# Altium PCB FSAES-22-E17 Temp Module PCB.PcbDoc (part 1 of 3)
Units mil, origin at the board's own origin, x right, y up, seen from the top; angles counter-clockwise.
Board outline 6776.17 x 2481.98 mil, 4 copper layers (Top Layer, Int 1 (GND), Int 2 (PWR), Bottom Layer), stack 53.912 mil thick; 312 components, 228 nets, 920 pads, 763 vias.
Unrouted connection lines stored in the file: 6.
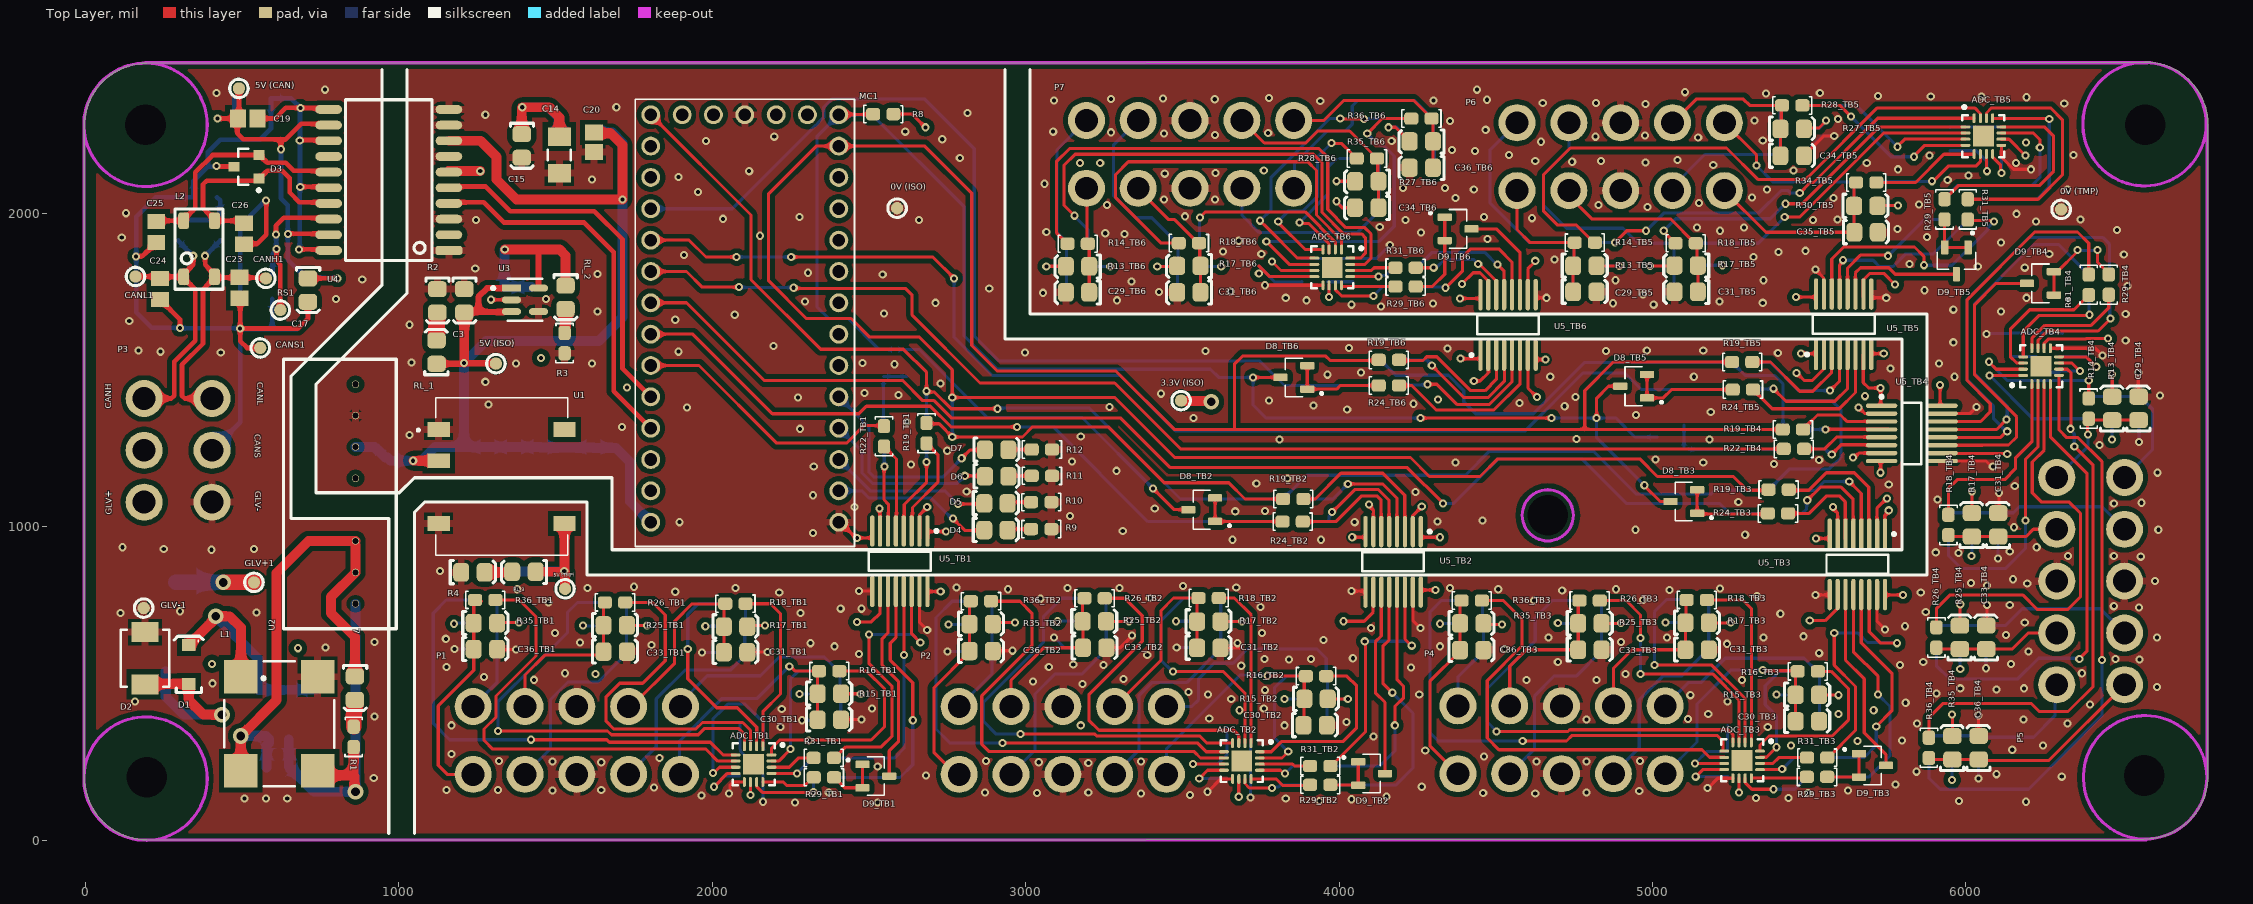
[diagram p0: Top Layer view]
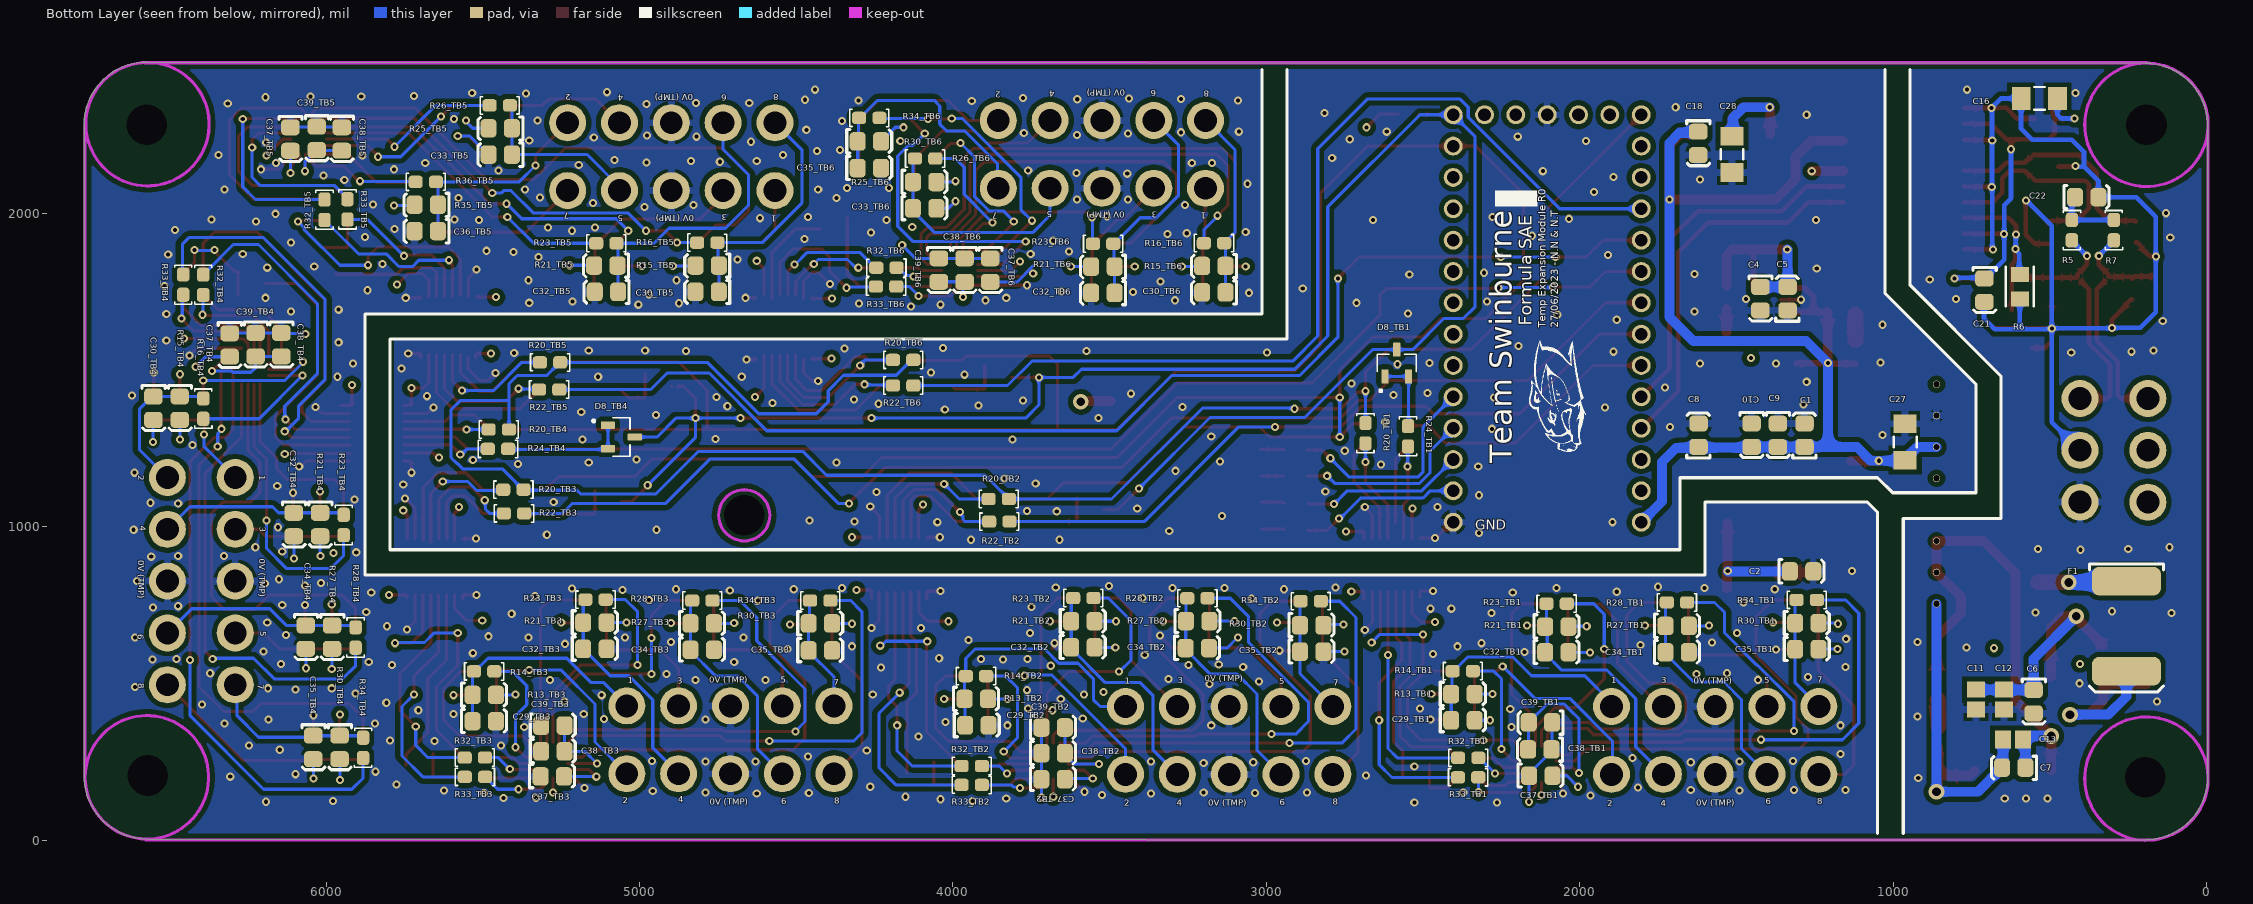
[diagram p1: Bottom Layer view, seen from below]
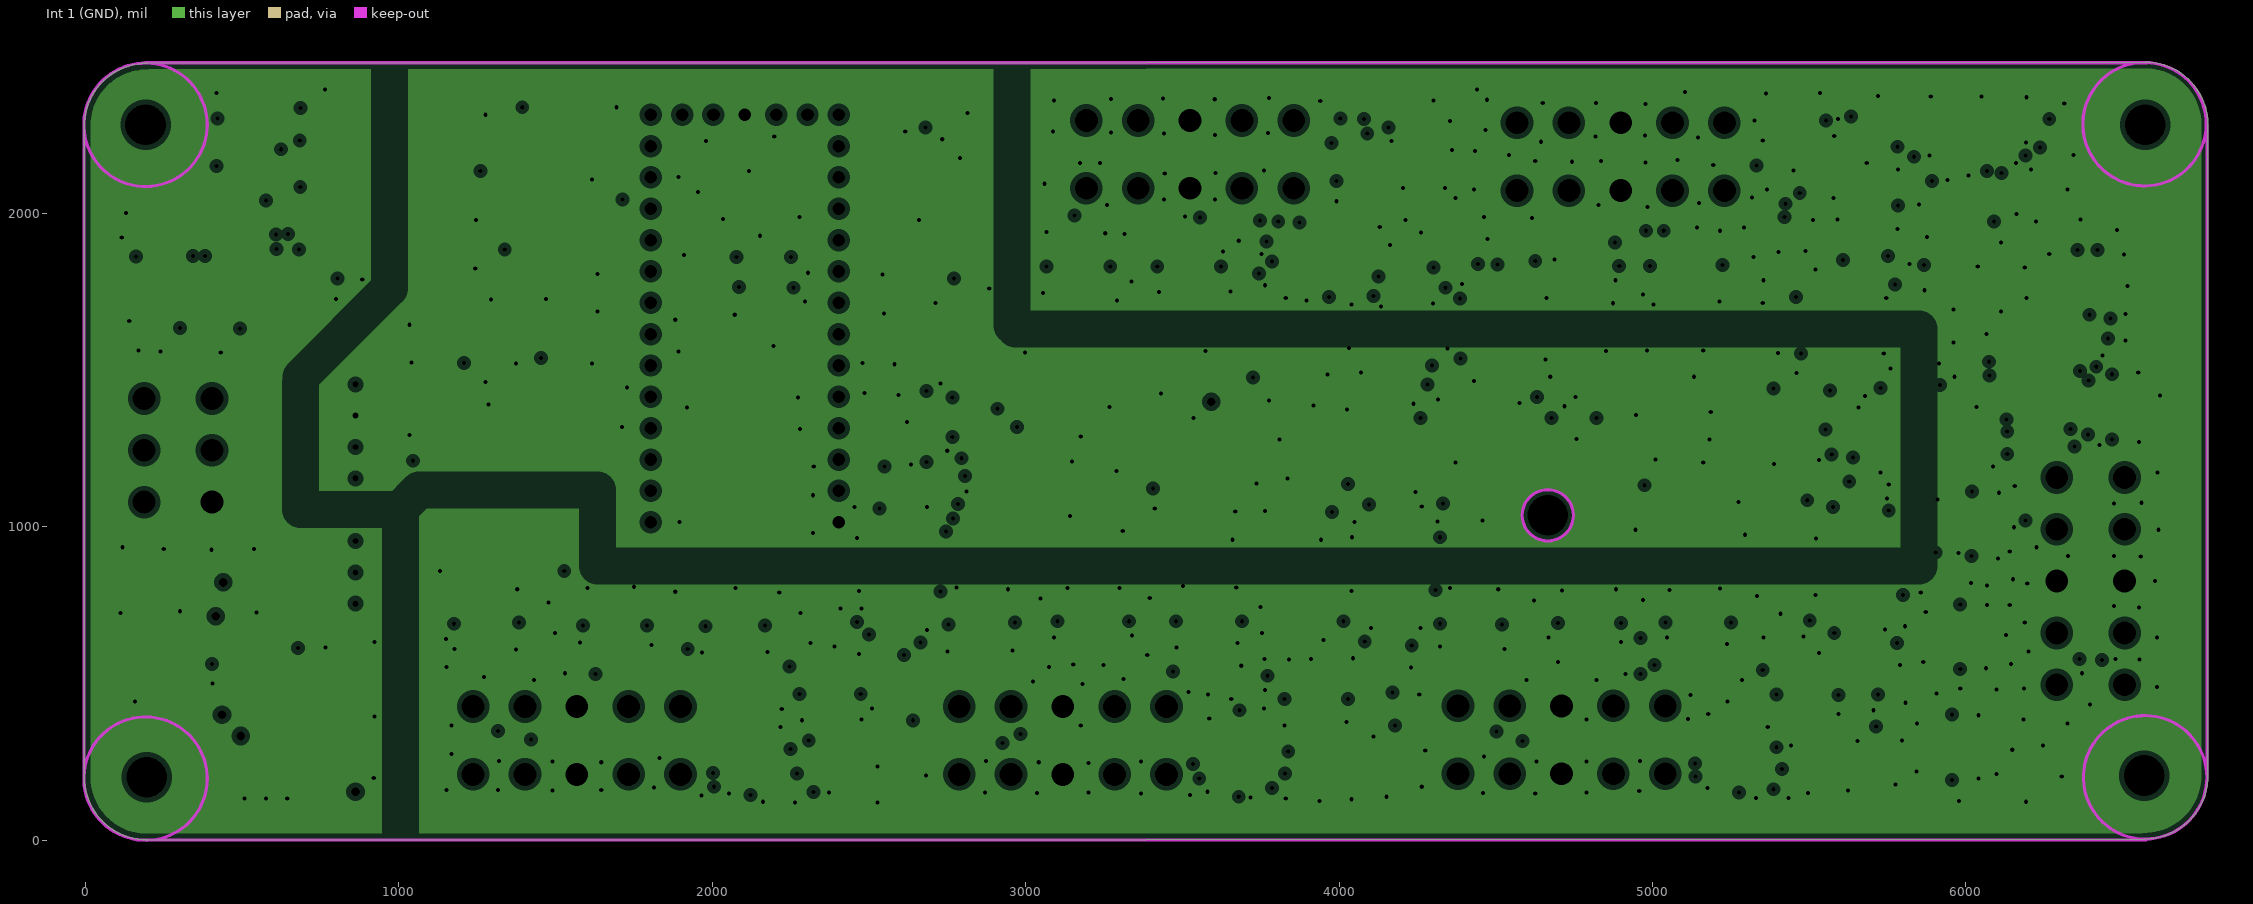
[diagram p2: Int 1 (GND), clearances drawn from the general rule]
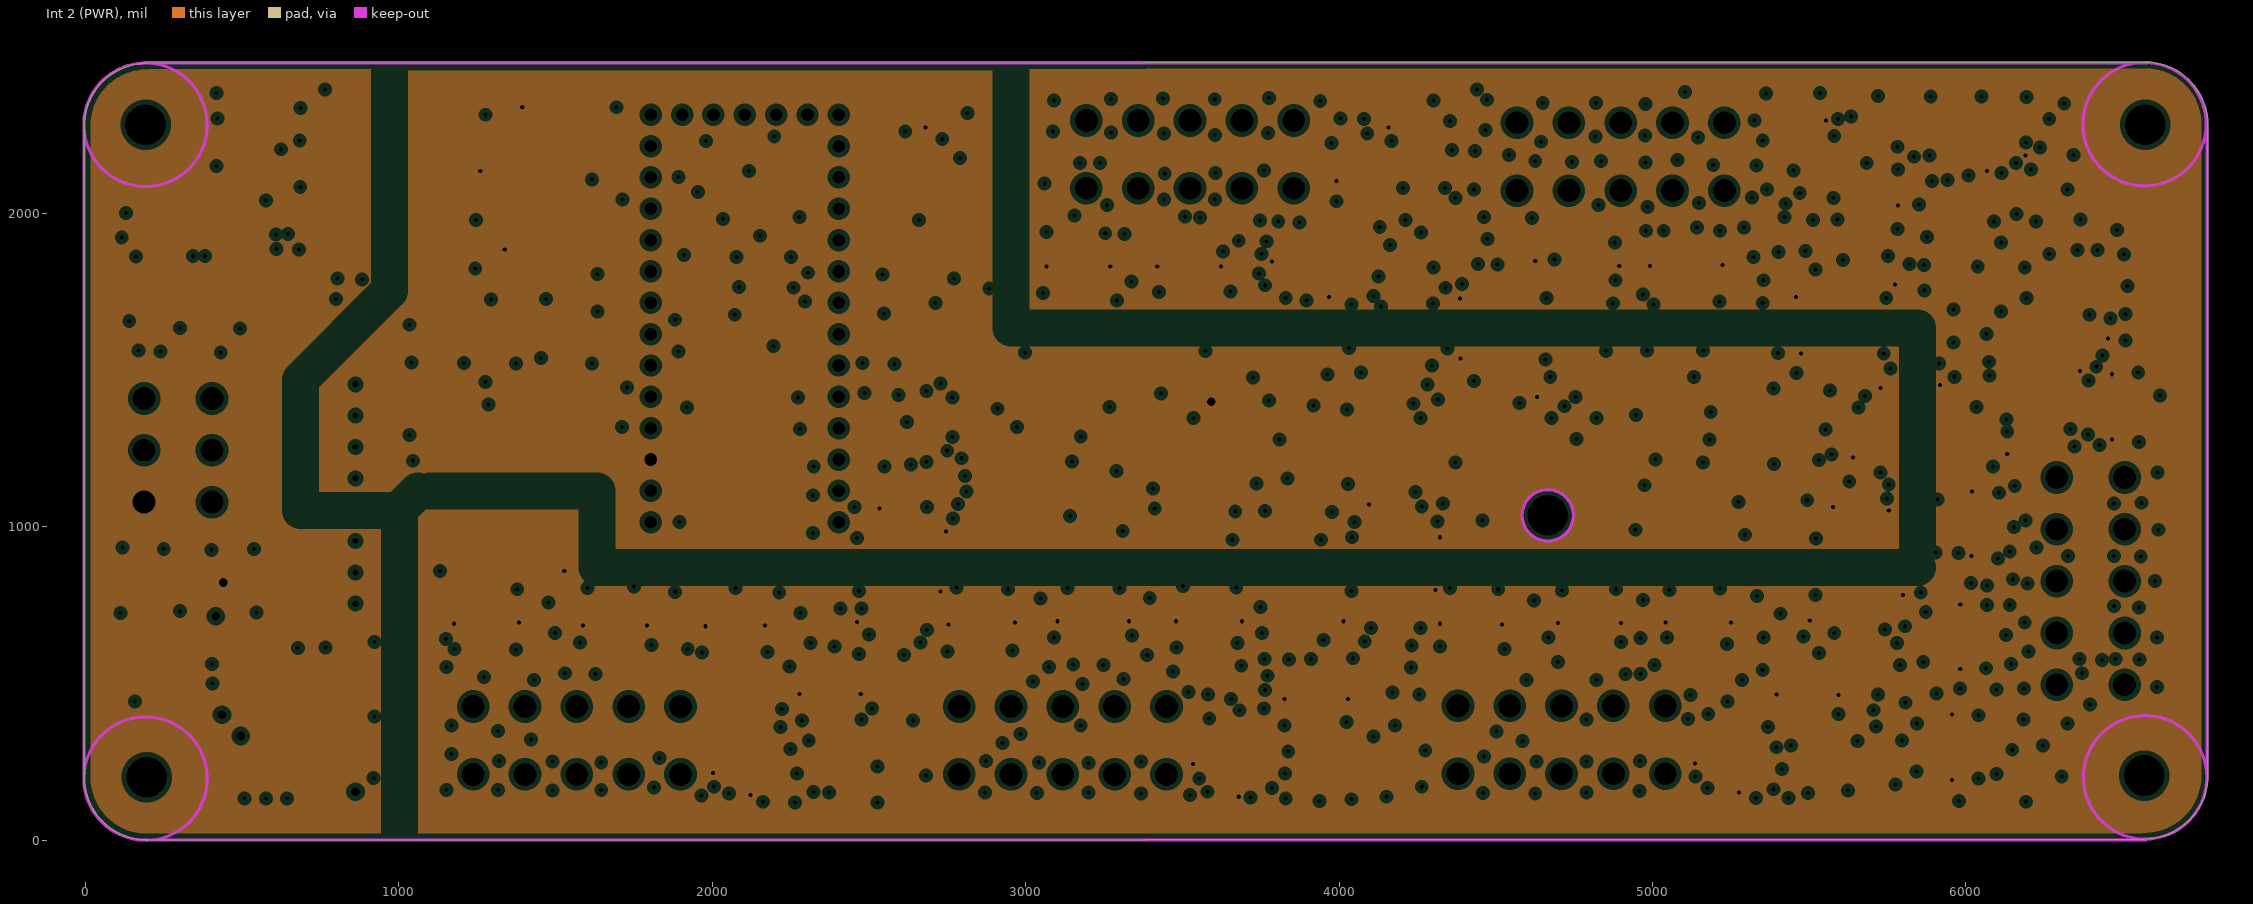
[diagram p3: Int 2 (PWR), clearances drawn from the general rule]

## Layer stack, top to bottom
Top Solder: solder mask 0.4, Solder Resist, Dk 3.5
Top Layer: signal copper 1.378
Dielectric 1: prepreg 5.1, PP-017, Dk 4.3
Dielectric 2: prepreg 5.1, PP-017, Dk 4.3
Int 1 (GND): plane copper 1.378, net (Multiple Nets)
Dielectric 3: core 28, Core-039, Dk 4.8
Int 2 (PWR): plane copper 1.378, net (Multiple Nets)
Dielectric 4: prepreg 5.1, PP-017, Dk 4.3
Dielectric 5: prepreg 5.1, PP-017, Dk 4.3
Bottom Layer: signal copper 1.378
Bottom Solder: solder mask 0.4, Solder Resist, Dk 3.5

## Board outline
-3.54,200 -3.97,2276.83 cw(c195.56,2278.67) 195.56,2478.21 6570.82,2481.97 cw(c6572.67,2282.44) 6772.21,2282.44 6772,2282.44 6771.93,207.45 cw(c6569.27,205.57) 6569.27,2.9 197.85,-0.01 197.85,0.47 cw(c196,200)

## Design rules (kind name [scope] priority, off if disabled: settings)
Clearance [All] p1: gap=10 ignorepadtopadclearanceinfootprint=FALSE except(0: Arc-Hole Track-Hole SMDPad-Hole THPad-Hole Via-Hole Fill-Hole Poly-Hole Region-Hole Text-Hole; 3.94: THPad-THPad; 6: Arc-SMDPad Track-SMDPad SMDPad-SMDPad; 7.87: Arc-THPad Track-THPad SMDPad-THPad THPad-Via; 8: Arc-Arc Arc-Track Arc-Region Track-Track Track-Region SMDPad-Region THPad-Region Via-Region Fill-Region Poly-Region Region-Region; 15.75: Arc-Poly Track-Poly SMDPad-Poly THPad-Poly Via-Poly Fill-Poly Poly-Poly)
DiffPairsRouting [All] p1: maxlimit=10 minlimit=10 mostfreqgap=10 toplayer_minwidth=15 toplayer_maxwidth=15 toplayer_prefwidth=15 bottomlayer_minwidth=15 bottomlayer_maxwidth=15 bottomlayer_prefwidth=15 maxuncoupledlength=500
Height [All] p1: minheight=0 maxheight=1968.5 prefheight=500
HoleSize [All] p1: absolutevalues=TRUE maxlimit=393.7 minlimit=1 maxpercent=80.000 minpercent=20.000
PlaneClearance [All] p1: clearance=15.75
PlaneConnect [All] p1: pad.planeconnectstyle=Relief pad.reliefexpansion=20 pad.reliefentries=4 pad.reliefconductorwidth=31.5 pad.reliefairgap=10 via.planeconnectstyle=Direct via.reliefexpansion=20 via.reliefentries=4 via.reliefconductorwidth=31.5 via.reliefairgap=10
PolygonConnect [All] p1: thpad.connectstyle=Relief thpad.reliefconductorwidth=23.62 thpad.reliefentries=4 thpad.polygonreliefangle="90 Angle" thpad.airgapwidth=10 smdpad.connectstyle=Relief smdpad.reliefconductorwidth=23.62 smdpad.reliefentries=4 smdpad.polygonreliefangle="90 Angle" smdpad.airgapwidth=10 via.connectstyle=Direct via.reliefconductorwidth=23.62 via.reliefentries=4 via.polygonreliefangle="90 Angle" via.airgapwidth=10
RoutingVias [All] p1: holewidth=28 width=50 viastyle="Through Hole" minholewidth=8 minwidth=10 maxholewidth=28 maxwidth=50
SolderMaskExpansion [All] p1: expansion=2 istentingtop=FALSE
Width [All] p1: maxlimit=118.11 minlimit=5 preferedwidth=19.68
25 further rules are at their usual default settings.

## Classes and differential pairs
component class TB6: ADC_TB6 C29_TB6 C30_TB6 C31_TB6 C32_TB6 C33_TB6 C34_TB6 C35_TB6 C36_TB6 C37_TB6 C38_TB6 C39_TB6 D8_TB6 D9_TB6 R13_TB6 R14_TB6 R15_TB6 R16_TB6 R17_TB6 R18_TB6 R19_TB6 R20_TB6 R21_TB6 R22_TB6 R23_TB6 R24_TB6 R25_TB6 R26_TB6 R27_TB6 R28_TB6 R29_TB6 R30_TB6 R31_TB6 R32_TB6 R33_TB6 R34_TB6 R35_TB6 R36_TB6 U5_TB6
channel class "Temp Bank": TB1 TB2 TB3 TB4 TB5 TB6
component class TB1: ADC_TB1 C29_TB1 C30_TB1 C31_TB1 C32_TB1 C33_TB1 C34_TB1 C35_TB1 C36_TB1 C37_TB1 C38_TB1 C39_TB1 D8_TB1 D9_TB1 R13_TB1 R14_TB1 R15_TB1 R16_TB1 R17_TB1 R18_TB1 R19_TB1 R20_TB1 R21_TB1 R22_TB1 R23_TB1 R24_TB1 R25_TB1 R26_TB1 R27_TB1 R28_TB1 R29_TB1 R30_TB1 R31_TB1 R32_TB1 R33_TB1 R34_TB1 R35_TB1 R36_TB1 U5_TB1
component class TB2: ADC_TB2 C29_TB2 C30_TB2 C31_TB2 C32_TB2 C33_TB2 C34_TB2 C35_TB2 C36_TB2 C37_TB2 C38_TB2 C39_TB2 D8_TB2 D9_TB2 R13_TB2 R14_TB2 R15_TB2 R16_TB2 R17_TB2 R18_TB2 R19_TB2 R20_TB2 R21_TB2 R22_TB2 R23_TB2 R24_TB2 R25_TB2 R26_TB2 R27_TB2 R28_TB2 R29_TB2 R30_TB2 R31_TB2 R32_TB2 R33_TB2 R34_TB2 R35_TB2 R36_TB2 U5_TB2
component class TB3: ADC_TB3 C29_TB3 C30_TB3 C31_TB3 C32_TB3 C33_TB3 C34_TB3 C35_TB3 C36_TB3 C37_TB3 C38_TB3 C39_TB3 D8_TB3 D9_TB3 R13_TB3 R14_TB3 R15_TB3 R16_TB3 R17_TB3 R18_TB3 R19_TB3 R20_TB3 R21_TB3 R22_TB3 R23_TB3 R24_TB3 R25_TB3 R26_TB3 R27_TB3 R28_TB3 R29_TB3 R30_TB3 R31_TB3 R32_TB3 R33_TB3 R34_TB3 R35_TB3 R36_TB3 U5_TB3
component class TB4: ADC_TB4 C29_TB4 C30_TB4 C31_TB4 C32_TB4 C33_TB4 C34_TB4 C35_TB4 C36_TB4 C37_TB4 C38_TB4 C39_TB4 D8_TB4 D9_TB4 R13_TB4 R14_TB4 R15_TB4 R16_TB4 R17_TB4 R18_TB4 R19_TB4 R20_TB4 R21_TB4 R22_TB4 R23_TB4 R24_TB4 R25_TB4 R26_TB4 R27_TB4 R28_TB4 R29_TB4 R30_TB4 R31_TB4 R32_TB4 R33_TB4 R34_TB4 R35_TB4 R36_TB4 U5_TB4
component class TB5: ADC_TB5 C29_TB5 C30_TB5 C31_TB5 C32_TB5 C33_TB5 C34_TB5 C35_TB5 C36_TB5 C37_TB5 C38_TB5 C39_TB5 D8_TB5 D9_TB5 R13_TB5 R14_TB5 R15_TB5 R16_TB5 R17_TB5 R18_TB5 R19_TB5 R20_TB5 R21_TB5 R22_TB5 R23_TB5 R24_TB5 R25_TB5 R26_TB5 R27_TB5 R28_TB5 R29_TB5 R30_TB5 R31_TB5 R32_TB5 R33_TB5 R34_TB5 R35_TB5 R36_TB5 U3_2 U5_TB5
component class "U_Power Supply": "0V (ISO)" "0V (TMP)" "3.3V (ISO)" "5V (ISO)" "5V (TMP)" 7 C1 C2 C3 C4 C5 C6 C7 C8 C9 C10 C11 C12 C13 D1 D2 F1 ff GLV+1 GLV-1 L1 R1 R2 R3 R4 RL_1 RL_2 RL_3 U1 U2 U3
component class U_Microcontroller: C27 C28 D4 D5 D6 D7 MC1 R8 R9 R10 R11 R12
component class U_CAN: "5V (CAN)" C14 C15 C16 C17 C18 C19 C20 C21 C22 C23 C24 C25 C26 CANH1 CANL1 CANS1 D3 L2 R5 R6 R7 RS1 U4
component class "Top Level": P1 P2 P3 P4 P5 P6 P7
differential pair CAN_CMF: +CAN_CMF_P -CAN_CMF_N
differential pair CAN: +CAN_P -CAN_N

## Components (designator, comment, footprint, x,y, rotation, side; value= is the part's Value field where it differs from the comment)
"0V (ISO)" "0V (ISO)" "SMD Test Point 1mm" 2590,2016 r270 top
"0V (TMP)" "0V (TMP)" "SMD Test Point 1mm" 6304,2012 r90 top
"3.3V (ISO)" "3.3V (ISO)" "SMD Test Point 1mm" 3496,1402 r90 top
"5V (CAN)" "5V (CAN)" "SMD Test Point 1mm" 490,2398 r90 top
"5V (ISO)" "5V (ISO)" "SMD Test Point 1mm" 1310,1520 r270 top
"5V (TMP)" "5V (TMP)" "SMD Test Point 1mm" 1530.49,801.51 r0 top
7 "SML-210LTT86" "0805 LED" 861,484 r270 top
ADC_TB1 "ADS7028IRTER" QFN50P300X300X80_HS-17N 2132,242 r270 top (schematic designator ADC)
ADC_TB2 "ADS7028IRTER" QFN50P300X300X80_HS-17N 3690,252 r270 top (schematic designator ADC)
ADC_TB3 "ADS7028IRTER" QFN50P300X300X80_HS-17N 5286,254 r270 top (schematic designator ADC)
ADC_TB4 "ADS7028IRTER" QFN50P300X300X80_HS-17N 6240,1512 r90 top (schematic designator ADC)
ADC_TB5 "ADS7028IRTER" QFN50P300X300X80_HS-17N 6056,2246 r0 top (schematic designator ADC)
ADC_TB6 "ADS7028IRTER" QFN50P300X300X80_HS-17N 3978.4,1826.93 r270 top (schematic designator ADC)
C1 "100nF" 0805 1284,1292 r90 bottom
C2 "100nF" 0805 1292,858 r180 bottom
C3 "10uF" 0805 1210,1720 r270 top
C4 "100nF" 0805 1422.97,1726.93 r270 bottom
C5 "1uF" 0805 1338.03,1728.07 r90 bottom
C6 "100nF" 0805 551,441 r270 bottom
C7 "100nF" 0805 616,230 r0 bottom
C8 "100nF" 0805 1622,1292 r90 bottom
C9 "22uF" C0805C226M9PAC7210-Footprint-1 1366.97,1290.93 r270 bottom
C10 "22uF" C0805C226M9PAC7210-Footprint-1 1451,1291 r270 bottom
C11 "10uF" CAPC2013X145X50NL20T25 736,448 r90 bottom
C12 "10uF" CAPC2013X145X50NL20T25 646,448 r90 bottom
C13 "10uF" CAPC2013X145X50NL20T25 617.5,321 r180 bottom
C14 "10nF" FP-GCM319-0_15-IPC_A 1512.32,2186 r270 top
C15 "100nF" 0805 1393.35,2214.13 r270 top
C16 "10nF" FP-GCM319-0_15-IPC_A 533.88,2366 r0 bottom
C17 "100nF" 0805 711.03,1754.13 r270 top
C18 "100nF" 0805 1621.28,2222.13 r270 bottom
C19 "10uF" CAPC2013X145X50NL20T25 518,2302 r180 top
C20 "10uF" CAPC2013X145X50NL20T25 1622.32,2226 r90 top
C21 "100nF" 0805 708,1754 r270 bottom
C22 "22uF" C0805C226M9PAC7210-Footprint-1 382,2052 r180 bottom
C23 "100pF" CAPC2013X70X45NL15T25 492,1762 r90 top
C24 "100pF" CAPC2013X70X45NL15T25 238,1758 r90 top
C25 "100pF" CAPC2013X70X45NL15T25 226,1940 r90 top
C26 "100pF" CAPC2013X70X45NL15T25 506,1934 r90 top
C27 "100nF" FP-GCM319-0_15-IPC_A 962,1270 r90 bottom
C28 "100nF" FP-GCM319-0_15-IPC_A 1514.32,2188 r270 bottom
C29_TB1 "0.1uF" 0805 2372.36,382.8 r180 bottom (schematic designator C29)
C29_TB2 "0.1uF" 0805 3923.17,367.03 r180 bottom (schematic designator C29)
C29_TB3 "0.1uF" 0805 5495.07,380 r180 bottom (schematic designator C29)
C29_TB4 "0.1uF" 0805 6550,1377.41 r90 top (schematic designator C29)
C29_TB5 "0.1uF" 0805 4784.93,1750 r0 top (schematic designator C29)
C29_TB6 "0.1uF" 0805 3165.11,1746.47 r180 top (schematic designator C29)
C30_TB1 "0.1uF" 0805 2374.27,384.8 r0 top (schematic designator C30)
C30_TB2 "0.1uF" 0805 3924.1,367.03 r0 top (schematic designator C30)
C30_TB3 "0.1uF" 0805 5494.59,380 r0 top (schematic designator C30)
C30_TB4 "0.1uF" 0805 6550,1377.41 r270 bottom (schematic designator C30)
C30_TB5 "0.1uF" 0805 4784.93,1748 r0 bottom (schematic designator C30)
C30_TB6 "0.1uF" 0805 3168.02,1746.47 r0 bottom (schematic designator C30)
C31_TB1 "0.1uF" 0805 2074.93,600 r0 top (schematic designator C31)
C31_TB2 "0.1uF" 0805 3584.93,614 r0 top (schematic designator C31)
C31_TB3 "0.1uF" 0805 5142.93,608 r0 top (schematic designator C31)
C31_TB4 "0.1uF" 0805 6102.23,1006.13 r90 top (schematic designator C31)
C31_TB5 "0.1uF" 0805 5106.93,1748 r180 top (schematic designator C31)
C31_TB6 "0.1uF" 0805 3520.16,1746.47 r180 top (schematic designator C31)
C32_TB1 "0.1uF" 0805 2073.02,600 r180 bottom (schematic designator C32)
C32_TB2 "0.1uF" 0805 3584.93,616 r180 bottom (schematic designator C32)
C32_TB3 "0.1uF" 0805 5141.87,610.97 r180 bottom (schematic designator C32)
C32_TB4 "0.1uF" 0805 6102.23,1006.13 r270 bottom (schematic designator C32)
C32_TB5 "0.1uF" 0805 5106,1748 r0 bottom (schematic designator C32)
C32_TB6 "0.1uF" 0805 3522.02,1744.47 r0 bottom (schematic designator C32)
C33_TB1 "0.1uF" 0805 1690.98,602 r0 top (schematic designator C33)
C33_TB2 "0.1uF" 0805 3220.97,614.46 r0 top (schematic designator C33)
C33_TB3 "0.1uF" 0805 4800.98,608 r0 top (schematic designator C33)
C33_TB4 "0.1uF" 0805 6064,646.93 r90 top (schematic designator C33)
C33_TB5 "0.1uF" 0805 5445.07,2186 r0 bottom (schematic designator C33)
C33_TB6 "0.1uF" 0805 4089.98,2016.47 r180 bottom (schematic designator C33)
C34_TB1 "0.1uF" 0805 1689.02,600 r180 bottom (schematic designator C34)
C34_TB2 "0.1uF" 0805 3219.99,613.43 r180 bottom (schematic designator C34)
C34_TB3 "0.1uF" 0805 4799.5,608 r180 bottom (schematic designator C34)
C34_TB4 "0.1uF" 0805 6064,646.93 r270 bottom (schematic designator C34)
C34_TB5 "0.1uF" 0805 5446,2184 r0 top (schematic designator C34)
C34_TB6 "0.1uF" 0805 4087.98,2016.47 r180 top (schematic designator C34)
C35_TB1 "0.1uF" 0805 1275.02,610 r180 bottom (schematic designator C35)
C35_TB2 "0.1uF" 0805 2855.07,602 r180 bottom (schematic designator C35)
C35_TB3 "0.1uF" 0805 4422.54,606 r180 bottom (schematic designator C35)
C35_TB4 "0.1uF" 0805 6040,294.93 r270 bottom (schematic designator C35)
C35_TB5 "0.1uF" 0805 5682,1940 r0 top (schematic designator C35)
C35_TB6 "0.1uF" 0805 4266.13,2145.03 r180 bottom (schematic designator C35)
C36_TB1 "0.1uF" 0805 1276.98,610 r0 top (schematic designator C36)
C36_TB2 "0.1uF" 0805 2858.45,604 r0 top (schematic designator C36)
C36_TB3 "0.1uF" 0805 4423.87,607.03 r0 top (schematic designator C36)
C36_TB4 "0.1uF" 0805 6040,294.93 r90 top (schematic designator C36)
C36_TB5 "0.1uF" 0805 5681.07,1942 r0 bottom (schematic designator C36)
C36_TB6 "0.1uF" 0805 4262.01,2144 r180 top (schematic designator C36)
C37_TB1 "1uF" 0805 2124,206 r180 bottom (schematic designator C37)
C37_TB2 "1uF" 0805 3680.16,194.91 r180 bottom (schematic designator C37)
C37_TB3 "1uF" 0805 5278,204 r180 bottom (schematic designator C37)
C37_TB4 "1uF" 0805 6306.93,1578.93 r270 bottom (schematic designator C37)
C37_TB5 "1uF" 0805 6113.09,2236.16 r270 bottom (schematic designator C37)
C37_TB6 "1uF" 0805 3880,1818 r270 bottom (schematic designator C37)
C38_TB1 "1uF" 0805 2128,288 r0 bottom (schematic designator C38)
C38_TB2 "1uF" 0805 3680,278 r180 bottom (schematic designator C38)
C38_TB3 "1uF" 0805 5276,284 r180 bottom (schematic designator C38)
C38_TB4 "1uF" 0805 6142,1580 r270 bottom (schematic designator C38)
C38_TB5 "1uF" 0805 5949.01,2236.24 r270 bottom (schematic designator C38)
C38_TB6 "1uF" 0805 3962,1818 r270 bottom (schematic designator C38)
C39_TB1 "1uF" 0805 2126,374 r0 bottom (schematic designator C39)
C39_TB2 "1uF" 0805 3680,360 r180 bottom (schematic designator C39)
C39_TB3 "1uF" 0805 5276,366 r180 bottom (schematic designator C39)
C39_TB4 "1uF" 0805 6224,1580 r270 bottom (schematic designator C39)
C39_TB5 "1uF" 0805 6029.01,2238.24 r270 bottom (schematic designator C39)
C39_TB6 "1uF" 0805 4044,1818 r270 bottom (schematic designator C39)
CANH1 "CANH" "SMD Test Point 1mm" 576,1792 r90 top
CANL1 "CANL" "SMD Test Point 1mm" 160,1798 r90 top
CANS1 "CANS" "SMD Test Point 1mm" 558,1570 r90 top
D1 "PMEG100T10ELR-QX" SODFL350X110-2N 330,560 r270 top
D2 "SM6T36CAY" FP-SMB-CA-MFG 190,580 r270 top
D3 "NUP2105L" ONSC-SOT-23-3-318-08_V 514,2148 r180 top
D4 "Diode/R" "0805 LED" 2905.87,990.03 r0 top
D5 "Diode/G" "0805 LED" 2905.87,1075.03 r0 top
D6 "Diode/Y" "0805 LED" 2907.87,1161.03 r0 top
D7 "Diode/B" "0805 LED" 2907.87,1246.03 r0 top
D8_TB1 "BAV70" BAV70-Footprint-1 2584,1522 r90 bottom (schematic designator D8)
D8_TB2 "BAV70" BAV70-Footprint-1 3562,1054 r180 top (schematic designator D8)
D8_TB3 "BAV70" BAV70-Footprint-1 5100,1080 r180 top (schematic designator D8)
D8_TB4 "BAV70" BAV70-Footprint-1 5058,1286 r180 bottom (schematic designator D8)